# Altium PCB IFAT6.PcbDoc (part 3 of 5)
Units mil, origin at the board's own origin, x right, y up, seen from the top; angles counter-clockwise.
Board outline 8050 x 4300 mil, 6 copper layers (Top Digital, Digital, GND, Analog 1, Analog 2, Bottom Analog), stack 61.068 mil thick; 589 components, 259 nets, 1804 pads, 310 vias.
Unrouted connection lines stored in the file: 819.
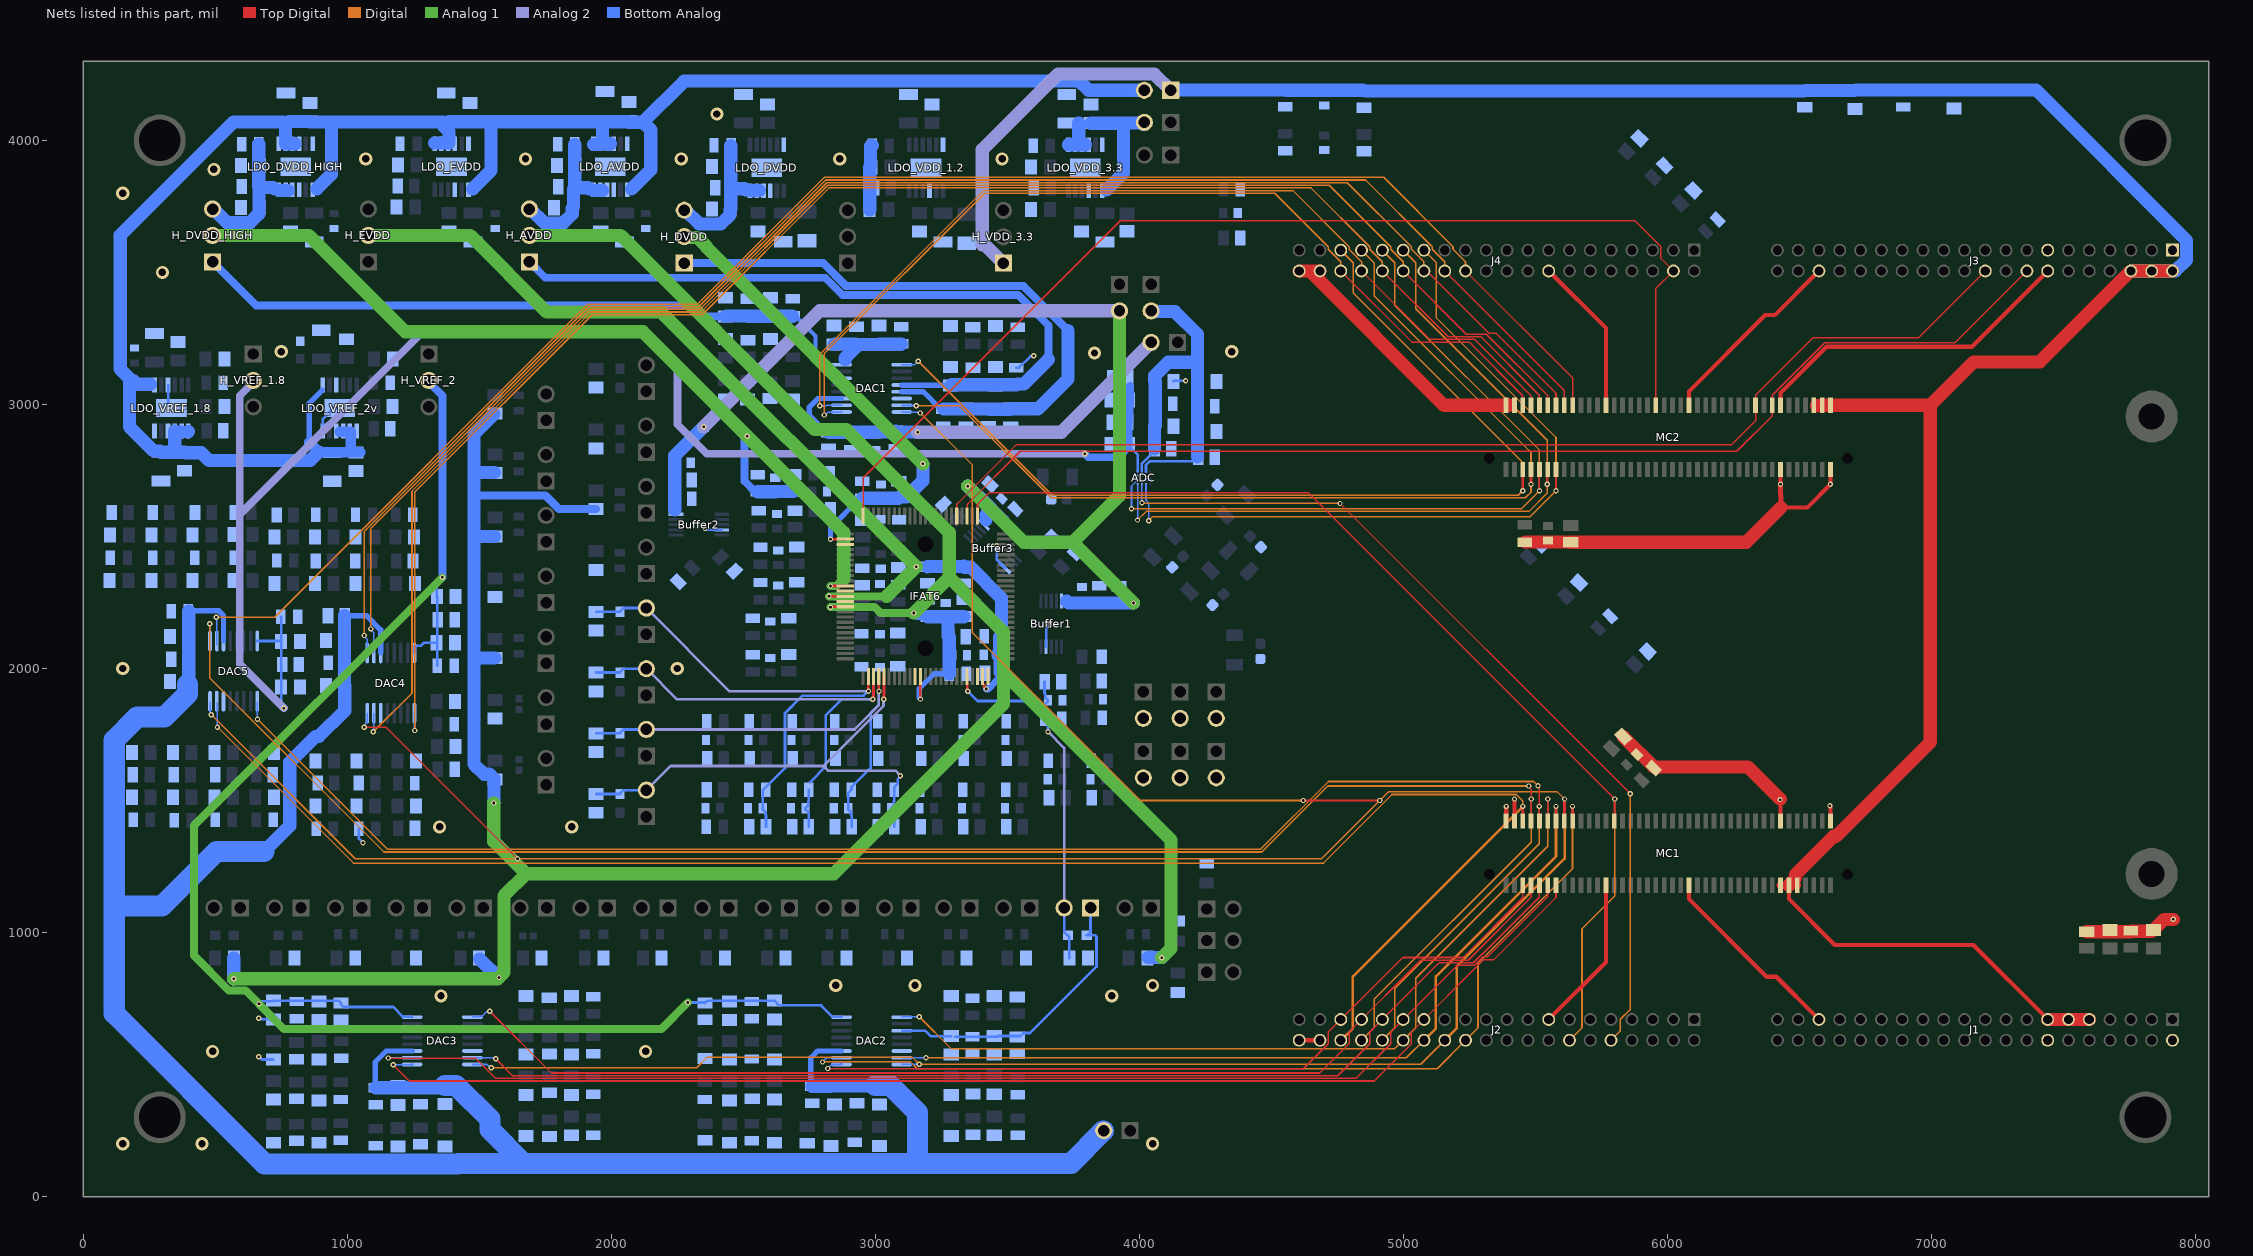
[diagram p7: the nets of this part, all layers, seen from the top]

## Via types
v1: diameter 20, hole 10, Top Digital to Digital, 100 vias
v2: diameter 20, hole 10, Top Digital to Bottom Analog, 81 vias
v3: diameter 20, hole 10, Analog 2 to Bottom Analog, 66 vias
v4: diameter 20, hole 10, Analog 1 to Bottom Analog, 34 vias
v5: diameter 50, hole 28, Top Digital to Bottom Analog, 26 vias
v6: diameter 8, hole 6, Analog 2 to Bottom Analog, 3 vias

## Nets (pads, with @x,y where several pads share a name; then routed paths per layer and width w, separated by ;. In a path a pad name is that pad's centre, name@x,y a point inside that pad or via, vN(x,y) a via of type N, cw(c..) or ccw(c..) an arc to the next point about the centre after c; other vN are vias at no path point) (continued)
+VDC_3.3: C1_+VDC_FPGA3.1 C1_+VDC_FPGA6.1 C2_+VDC_FPGA3.1 C2_+VDC_FPGA6.2 C3_+VDC_FPGA3.1 C3_+VDC_FPGA6.2 C4_+VDC_FPGA3.1 H_PWR_3.3V.1 H_VDD_3.3.1 J1.9 J1.11 J1.13 J3.2 J3.4 J3.6 MC1.9 MC1.11 MC1.13 MC2.2 MC2.4 MC2.6 | length 10701.5
  Top Digital w16: MC1.11@6459.63,1179.19 6459.63,1126.69 6633.48,952.84 7157.87,952.84 7434.66,676.05 J1.13@7440.28,676.05 ; MC2.6@6554.12,2999 6565,2995
  Top Digital w30: MC1.13@6428.13,1179.19 MC1.11@6459.63,1179.19 ; MC1.9@6484.63,1179.19 MC1.9@6491.13,1179.19
  Top Digital w50: MC1.11@6459.63,1179.19 6484.63,1204.19 6484.63,1219.71 6629.6,1364.68 6638.12,1364.68 6995,1721.56 6995,2996.99 ; 6565,2995 MC2.4@6585.61,2996.99 6995,2996.99 ; J1.13@7439.83,670.88 J1.9@7597.31,670.88 ; J3.2@7912.27,3505.53 J3.6@7754.79,3505.53 7410.51,3161.25 7159.26,3161.25 6995,2996.99
  Analog 2 w50: H_VDD_3.3.1@3485,3535 3415,3605 3405,3605 3405,3965 3691.28,4251.28 4057.04,4251.28 H_PWR_3.3V.1@4118.52,4189.8
  Bottom Analog w50: H_PWR_3.3V.1@4118.52,4189.8 4119.45,4190.73 C1_+VDC_FPGA6.1@4550.14,4190.73 ; C1_+VDC_FPGA6.1@4554.86,4189.8 C3_+VDC_FPGA6.2@4846.56,4189.8 ; C3_+VDC_FPGA6.2@4854.43,4187.24 C1_+VDC_FPGA3.1@6516.06,4187.24 ; C1_+VDC_FPGA3.1@6523.94,4189.21 C2_+VDC_FPGA3.1@6706.46,4189.21 ; C2_+VDC_FPGA3.1@6713.54,4190.7 C3_+VDC_FPGA3.1@6889.85,4190.7 ; C3_+VDC_FPGA3.1@6894.58,4190.92 C4_+VDC_FPGA3.1@7081.46,4190.92 ; C4_+VDC_FPGA3.1@7088.54,4190.87 7395.46,4190.87 7965.66,3620.67 7965.66,3547.87 7923.32,3505.53 J3.6@7754.79,3505.53
+VDC_3.3_LDO: C_1_AVDD.1 C_1_DVDD_HIGH.1 C_1_EVDD.1 C_1_VREF_1.8.1 C_1_VREF_2v.1 C_2_AVDD.1 C_2_DVDD_HIGH.1 C_2_EVDD.1 C_2_VREF_1.8.1 C_2_VREF_2v.1 H_PWR_3.3V.2 LDO_AVDD.1 LDO_AVDD.2 LDO_AVDD.3 LDO_AVDD.4 LDO_AVDD.7 LDO_DVDD_HIGH.1 LDO_DVDD_HIGH.2 LDO_DVDD_HIGH.3 LDO_DVDD_HIGH.4 LDO_DVDD_HIGH.7 LDO_EVDD.1 LDO_EVDD.2 LDO_EVDD.3 LDO_EVDD.4 LDO_EVDD.7 LDO_VREF_1.8.1 LDO_VREF_1.8.2 LDO_VREF_1.8.3 LDO_VREF_1.8.4 LDO_VREF_1.8.7 LDO_VREF_2v.1 LDO_VREF_2v.2 LDO_VREF_2v.3 LDO_VREF_2v.4 LDO_VREF_2v.7 | length 7540
  Bottom Analog w20: 856.58,2856.5 856.58,3005.16 LDO_VREF_2v.7@906.46,3055.04
  Bottom Analog w40: 856.58,2856.5 892.69,2820.39 894.18,2818.9 C_2_VREF_2v.1@959.25,2818.9 ; C_2_VREF_2v.1@960.04,2819.73 C_1_VREF_2v.1@1013.26,2819.73 ; 971.58,2896.5 LDO_VREF_2v.3@984.38,2896.5 ; 995.52,2896.11 1013.26,2896.11 C_1_VREF_2v.1@1013.26,2819.73 ; C_1_VREF_2v.1@1049.08,2819.73 C_1_VREF_2v.1@1013.26,2819.73
  Bottom Analog w50: 254.25,3076.14 204.25,3076.14 190.4,3090 184.46,3090 ; 347.17,2827.64 LDO_VREF_1.8.3@347.17,2898.92 ; LDO_VREF_1.8.3@347.17,2895.87 LDO_VREF_1.8.2@372.76,2895.87 ; C_1_VREF_1.8.1@384.37,2819.33 C_2_VREF_1.8.1@294.37,2819.33 290.43,2823.27 268.12,2823.27 174.96,2916.43 174.96,3080.5 184.46,3090 ; C_1_VREF_1.8.1@387.91,2817.36 447.11,2817.36 476.41,2788.06 860.35,2788.06 892.69,2820.39 ; LDO_VREF_1.8.1@396.26,2895.81 LDO_VREF_1.8.1@398.35,2897.9 ; C_2_DVDD_HIGH.1@757.4,4070 570,4070 140.43,3640.43 140.43,3134.03 184.46,3090 ; C_2_DVDD_HIGH.1@766.61,4067.54 LDO_DVDD_HIGH.2@766.61,3987.09 802.5,3987.09 ; C_2_DVDD_HIGH.1@779.06,4071.26 C_1_DVDD_HIGH.1@854.69,4071.26 ; C_1_DVDD_HIGH.1@858.23,4070 940,4070 ; 885.12,3815.96 940,3870.85 940,4070 ; LDO_EVDD.1@1331.02,3989.59 LDO_EVDD.3@1382.2,3989.59 ; C_2_EVDD.1@1364.17,4070 940,4070 ; C_2_EVDD.1@1367.29,4051.37 1384.88,4033.78 LDO_EVDD.3@1384.88,3990.58 ; C_2_EVDD.1@1385.83,4070.28 C_1_EVDD.1@1461.46,4070.28 ; C_1_EVDD.1@1465,4070.49 1545,4070.49 ; 1475.12,3816.41 1545,3886.29 1545,4070.49 ; LDO_AVDD.1@1932.53,3983.99 1963.46,3983.99 1966.51,3987.04 C_2_AVDD.1@1966.51,4067.4 ; LDO_AVDD.3@1983.71,3983.99 1993.6,3983.99 1996.51,3986.9 ; 2076.63,3816.41 2149.34,3889.13 2149.34,4039.68 2120.05,4068.97 ; H_PWR_3.3V.2@4018.52,4189.8 3807.43,4189.8 3772.84,4224.39 2275.48,4224.39 2120.05,4068.97 ; 1545,4070.49 1545.45,4070.94 2064.54,4070.94 2066.51,4068.97 2120.05,4068.97
+VDC_ADC: ADC.A2 ADC.A3 C1_AVDD_ADC.1 C1_DVDD_ADC.1 C2_AVDD_ADC.1 C2_DVDD_ADC.1 C3_AVDD_ADC.1 C3_DVDD_ADC.1 C4_AVDD_ADC.1 C4_DVDD_ADC.1 H_PWR_ADC.2 | length 1428.2
  Bottom Analog w10: ADC.A3@4009.25,2745.75 4009.25,2775.81 4047.56,2814.11 C1_AVDD_ADC.1@4049.56,2814.11 ; ADC.A2@4025,2745.75 4025,2770 4040,2785 C1_DVDD_ADC.1@4208.22,2785
  Bottom Analog w50: H_PWR_ADC.2@4044.52,3354.46 4047.39,3351.6 4133.9,3351.6 4220,3265.5 4220,3160 ; C1_AVDD_ADC.1@4057.09,2832.5 4057.62,2833.03 C2_AVDD_ADC.1@4057.62,2913.96 ; C2_AVDD_ADC.1@4058.15,2917.5 4059.72,2919.07 C3_AVDD_ADC.1@4059.72,3000.14 ; C3_AVDD_ADC.1@4059.72,3004.86 4059.72,3085.93 C4_AVDD_ADC.1@4058.15,3087.5 4058.15,3108.83 4109.32,3160 4220,3160 ; C1_DVDD_ADC.1@4220,2802.13 4220,3160
+VDC_BUFF: Buffer1.10 Buffer2.10 Buffer3.10 C1_C_+VDC1.1 C1_C_+VDC2.1 C1_C_+VDC3.1 C2_C_+VDC1.2 C2_C_+VDC2.2 C2_C_+VDC3.2 C3_C_+VDC1.2 C3_C_+VDC2.2 C3_C_+VDC3.2 H_PWR_BUFF.2 | length 4358.6
  Analog 1 w50: v4(3350,2690) 3562.14,2477.86 3747.86,2477.86 ; H_PWR_BUFF.2@3924.52,3354.46 3924.52,2654.52 3747.86,2477.86 ; v4(3977.55,2248.17) 3747.86,2477.86
  Analog 2 w50: v3(2350,2915) 2789.46,3354.46 3918.15,3354.46 H_PWR_BUFF.2@3919.64,3352.98
  Bottom Analog w50: 2240,2600 2240,2641.58 C1_C_+VDC2.1@2240.61,2642.18 2240.61,2805.61 v3(2350,2915) ; v4(3350,2690) C3_C_+VDC3.2@3385.32,2654.68 ; C3_C_+VDC3.2@3391.17,2653.14 C2_C_+VDC1.2@3439.77,2604.54 ; 3418.51,2563.28 3418.51,2581.4 3439.77,2602.65 C1_C_+VDC3.1@3484.3,2558.06 C1_C_+VDC3.1@3484.3,2558.06 ; 3725,2255 3732.03,2247.97 3782.58,2247.97 3847.5,2247.97 C3_C_+VDC1.2@3922.94,2247.97 3923.13,2248.17 v4(3977.55,2248.17)
+VDC_DAC: C1_VDC_DAC2.1 C1_VDC_DAC3.1 C1_VDC_DAC4.1 C1_VDC_DAC5.1 C2_VDC_DAC2.1 C2_VDC_DAC3.1 C2_VDC_DAC4.1 C2_VDC_DAC5.1 C3_VDC_DAC2.1 C3_VDC_DAC3.1 C3_VDC_DAC4.1 C3_VDC_DAC5.1 C4_VDC_DAC2.1 C4_VDC_DAC3.1 C4_VDC_DAC4.1 C4_VDC_DAC5.1 DAC2.3 DAC3.3 DAC4.3 DAC5.3 H_PWR_DAC.2 | length 9687.8
  Bottom Analog w20: C3_VDC_DAC4.1@397.28,2216.57 397.28,2217.09 398.43,2218.24 399.84,2218.24 514.27,2218.24 531.61,2200.89 DAC5.3@531.61,2104.17 ; C1_VDC_DAC3.1@1000,2200 1072.89,2200 1126.61,2146.27 DAC4.3@1126.61,2059.17 ; C3_VDC_DAC2.1@1106.14,423.86 1106.14,509.8 1147.95,551.61 DAC3.3@1245.83,551.61 ; C3_VDC_DAC5.1@2746.52,417.09 2755.38,425.95 2755.38,525.38 2781.61,551.61 DAC2.3@2871.73,551.61
  Bottom Analog w50: C4_VDC_DAC4.1@399.84,1950 C3_VDC_DAC4.1@399.84,2218.24 ; 684.69,1306.42 782.36,1404.08 782.36,1644.98 880.02,1742.65 892.65,1742.65 990.31,1840.31 C4_VDC_DAC3.1@990.31,1935 ; C1_VDC_DAC3.1@990,2200 990.16,2199.84 C2_VDC_DAC3.1@990.16,2110.01 ; C4_VDC_DAC3.1@990.16,1935.16 C2_VDC_DAC3.1@990.16,2106.47 ; C3_VDC_DAC2.1@1107.5,412.13 C1_VDC_DAC2.1@1277.5,412.13 ; C1_VDC_DAC2.1@1281.44,412.13 1359.92,412.13 C4_VDC_DAC2.1@1366.46,418.66 ; C3_VDC_DAC5.1@2760.92,417.66 C2_VDC_DAC5.1@2828.96,417.66 ; C2_VDC_DAC5.1@2832.5,419.06 C1_VDC_DAC5.1@2915,419.06 ; C1_VDC_DAC5.1@2917.36,418.66 2997.64,418.66 C4_VDC_DAC5.1@3000,421.02
  Bottom Analog w80: C4_VDC_DAC4.1@395.61,1940 395.61,1903.23 308.61,1816.23 204.93,1816.23 117.93,1729.23 117.93,1100 ; 684.69,1306.42 504.52,1306.42 298.1,1100 117.93,1100 ; C4_VDC_DAC2.1@1370,421.02 1412.54,421.02 1540.19,293.37 1540.19,253.51 1667.84,125.86 ; C4_VDC_DAC5.1@3000,421.02 3057.25,421.02 3160,318.27 3160,125.86 ; H_PWR_DAC.2@3862.92,247.92 3740.86,125.86 3160,125.86 ; 117.93,1100 117.93,692.81 687.81,122.93 1416.77,122.93 1419.7,125.86 1667.84,125.86 ; 1667.84,125.86 3160,125.86
+VDC_DAC1: C1_VDC_DAC1.1 C2_VDC_DAC1.1 C3_VDC_DAC1.1 C4_VDC_DAC1.1 DAC1.3 H_PWR_DAC1.2 | length 1625.7
  Analog 2 w50: v3(3160,2895) 3704.52,2895 H_PWR_DAC1.2@4044.52,3235
  Bottom Analog w20: C1_VDC_DAC1.1@2822.5,2894.29 2813.64,2894.29 2750,2957.93 2750,2990 2782.4,3022.4 DAC1.3@2871.85,3022.4
  Bottom Analog w50: C1_VDC_DAC1.1@2822.5,2894.29 2823.07,2894.86 C2_VDC_DAC1.1@2906.46,2894.86 ; C2_VDC_DAC1.1@2910,2895 C3_VDC_DAC1.1@2992.5,2895 ; C3_VDC_DAC1.1@2994.86,2895.87 3075.14,2895.87 C4_VDC_DAC1.1@3077.5,2898.23 3079.86,2895.87 3159.13,2895.87 v3(3160,2895)
+VDC_LDO: C_1_VDD_3.3.1 C_2_VDD_3.3.1 H_PWR_5V.2 LDO_VDD_3.3.1 LDO_VDD_3.3.2 LDO_VDD_3.3.3 LDO_VDD_3.3.4 LDO_VDD_3.3.7 | length 622.6
  Bottom Analog w50: LDO_VDD_3.3.1@3731.64,3983.58 3795,3983.58 ; 3770,3986.63 3770,4065.34 ; C_1_VDD_3.3.1@3816.46,4065.01 3940,4065.01 ; 3875.73,3812.45 3940,3876.72 3940,4065.01 ; H_PWR_5V.2@4016,4061.28 4011.95,4065.33 3940.31,4065.33 3940,4065.01
_setLFSR: IFAT6.50 J4.4 MC2.44 | length 4257.5
  Top Digital w6: IFAT6.50@2953.78,2577.5 2953.78,2721.92 3927.52,3695.66 5876.77,3695.66 5975.15,3597.27 5975.15,3552.88 J4.4@6022.5,3505.53 5955.69,3438.72 MC2.44@5955.69,2996.99
ADC_C\S\: ADC.C4 J4.31 MC2.71 | length 2928.7
  Top Digital w6: MC2.71@5514.75,2753.99 5514.87,2753.87 5514.87,2675.13 v1@5515,2675
  Digital w6: v2(3970,2605) 5446.66,2605 v1(5515,2673.34) 5515,2827.48 4967.49,3374.99 4967.49,3536.92 J4.31@4920.14,3584.27
  Bottom Analog w6: v2(3970,2605) 3970,2690.75 ADC.C4@3993.5,2714.25
ADC_SCLK: ADC.D4 J4.29 MC2.69 | length 2935.5
  Top Digital w6: v1@5545.62,2695.62 5545.62,2753.37 MC2.69@5546.24,2753.99
  Digital w6: v2(3993,2562) 4026,2595 5475,2595 5545,2665 v1(5545,2697.51) 5545,2863.94 5046.23,3362.71 5046.23,3536.92 J4.29@4998.88,3584.27
  Bottom Analog w6: v2(3993,2562) 3993,2635.04 3993.5,2635.54 ADC.D4@3993.5,2698.5
ADC_SDI: ADC.D2 J4.27 MC2.67 | length 2931.1
  Top Digital w6: v1@5577.64,2673.1 5577.64,2753.89 MC2.67@5577.74,2753.99
  Digital w6: v2(4035,2560) 4050,2575 5479.2,2575 v1(5577.54,2673.34) 5577.54,2874.95 5124.97,3327.52 5124.97,3536.92 J4.27@5077.62,3584.27
  Bottom Analog w6: ADC.D2@4025,2698.5 4025,2637.04 4035,2627.04 v2(4035,2560)
ADC_SDO: ADC.D3 J2.10 | length 3339.8
  Top Digital w6: v1(4760,2625) 4760,2624.71 5858.47,1526.24 v1(5858.47,1525.95)
  Digital w6: v2(4010,2628) 4011.5,2626.5 4758.5,2626.5 v1(4760,2625) ; J2.10@5786.28,592.14 5821.04,626.9 5821.04,671.29 5858.47,708.72 v1(5858.47,1525.95)
  Bottom Analog w6: ADC.D3@4009.25,2698.5 4009.62,2698.12 4009.62,2628.38 v2(4010,2628)
ARRAY_SHIFT_REG_CLK: IFAT6.32 J3.20 MC2.20 | length 4361.8
  Top Digital w6: IFAT6.32@3308.11,2577.5 3308.11,2621.89 3311.22,2625 3528.71,2842.49 3534.31,2848.09 6243.09,2848.09 6331.43,2936.43 ; 6329.53,2934.88 6333.76,2939.12 6333.76,2959.36 6333.76,2990.06 6333.76,2996.87 MC2.20@6333.64,2996.99 ; MC2.20@6333.53,2996.87 6333.53,3034.49 6552.29,3253.25 6951.33,3253.25 7196.61,3498.53 J3.20@7203.61,3498.53
ASYNC_RST: IFAT6.30 J3.16 MC2.16 | length 4466.5
  Top Digital w6: IFAT6.30@3347.48,2577.5 3347.48,2621.26 3351.22,2625 3548.71,2822.49 6262.54,2822.49 6396.64,2956.59 MC2.16@6396.64,2996.99 6396.52,2997.1 6396.52,3034.49 6595.28,3233.25 7088.81,3233.25 7354.09,3498.53 J3.16@7361.09,3498.53
AVDD: C1_C_AVDD1.1 C1_C_AVDD.1 C2_C_AVDD1.2 C2_C_AVDD.2 C3_C_AVDD1.2 C3_C_AVDD.2 C_GCOMP.1 C_VAMP_HIGH.1 C_VBIAS.1 C_VBP.1 C_VIN_IBIAS.1 C_Vpup_arb.1 C_VpupReq.1 C_VSPIKE.1 C_VWIDTH_HI.1 H_AVDD.2 IFAT6.65 IFAT6.87 | length 11687.7
  Top Digital w10: v2(2830,2232.47) 2830.76,2233.23 2885.11,2233.23 IFAT6.65@2885.87,2234 ; IFAT6.87@3170.31,1969.23 3170.57,1968.97 3170.57,1884.46 v2(3170.83,1884.2)
  Analog 1 w30: v2(2830,2232.47) 2997.53,2232.47 3020,2210 v4(3145,2210)
  Analog 1 w50: v4(570,825) 1570,825 1593.52,848.52 1593.52,1138.52 1677.66,1222.66 ; v4(1555,1490.73) 1555,1345.31 1677.66,1222.66 ; H_AVDD.2@1690,3640 2035,3640 2770,2905 2890,2905 3280,2515 3280,2345 ; v4(3145,2210) 3280,2345 ; v4(4085,905) 4120,940 4120,1350 3485,1985 ; 1677.66,1222.66 2842.66,1222.66 3485,1865 3485,1985 ; 3280,2345 3485,2140 3485,1985
  Bottom Analog w20: v2(3170.83,1884.2) 3166,1889.03 3166,1923.31 3222.99,1980.3 C1_C_AVDD.1@3279.8,1980.3
  Bottom Analog w30: 1480,2655 1750.81,2655 1802.07,2603.74 C_VBIAS.1@1942.79,2603.74 ; v4(3145,2210) 3157.17,2197.83 3186.39,2197.83 3187.14,2197.09 C1_C_AVDD1.1@3187.14,2195.75
  Bottom Analog w50: v4(570,825) 570.43,825.43 C_VSPIKE.1@570.43,903.37 ; C_VAMP_HIGH.1@1501.59,899.82 1571.41,830 v4(1575,830) ; 1509.29,2040.22 C_VIN_IBIAS.1@1559.27,2040.22 ; v4(1555,1490.73) 1555.73,1491.46 C_VWIDTH_HI.1@1555.73,1577.86 ; C_VWIDTH_HI.1@1555.73,1582.58 1538.86,1599.45 1518.72,1599.45 1480,1638.17 1480,2500.22 ; C_Vpup_arb.1@1555.73,2963.29 1480,2887.56 1480,2742.58 ; C_VpupReq.1@1556.91,2742.58 1480,2742.58 ; C_VBP.1@1558.09,2500.22 1480,2500.22 ; C1_C_AVDD1.1@3198.75,2194.92 3199.83,2196 3335.17,2196 C3_C_AVDD1.2@3336.25,2197.09 ; C2_C_AVDD1.2@3266.25,2192.36 3275.57,2183.04 3275.57,2123.94 C3_C_AVDD.2@3279.51,2120 ; C1_C_AVDD.1@3279.8,1980.3 C3_C_AVDD.2@3279.8,2119.7 ; C_GCOMP.1@4032.8,905 v4(4085,905) ; 1480,2500.22 1480,2655 1480,2742.58
AVDD_DAC: C1_AVDD_DAC.1 C2_AVDD_DAC.1 C3_AVDD_DAC.1 C4_AVDD_DAC.1 DAC1.12 H_AVDD.1 | length 2785
  Bottom Analog w20: DAC1.12@3100.2,3073.58 3101.1,3072.68 3283.58,3072.68 C4_AVDD_DAC.1@3284.48,3071.77
  Bottom Analog w30: H_AVDD.1@1690,3540 1750.24,3479.76 2810.33,3479.76 2875.09,3415 3540,3415 3655,3300 3655,3170
  Bottom Analog w50: C4_AVDD_DAC.1@3288.81,3074.92 3369.48,3074.92 3454.48,3074.92 C3_AVDD_DAC.1@3534.48,3074.92 3536.84,3077.28 3562.28,3077.28 3655,3170
AVDD_LDO: C1_U_Capx41.1 C2_U_Capx41.1 C3_U_Capx41.1 C4_U_Capx41.1 H_AVDD.3 LDO_AVDD.10 LDO_AVDD.11 LDO_AVDD.12 | length 548.1
  Bottom Analog w50: H_AVDD.3@1690,3740 1694.05,3740 1746.67,3687.38 1818.52,3687.38 1852.38,3721.24 C4_U_Capx41.1@1852.38,3741.38 ; C4_U_Capx41.1@1857.1,3748.47 1857.1,3816.01 1861.59,3820.5 C3_U_Capx41.1@1861.59,3984.93 ; C1_U_Capx41.1@1862.22,3824.43 1866.16,3820.5 1912.31,3820.5 1916.39,3816.41 ; LDO_AVDD.12@1932.53,3809.82 LDO_AVDD.11@1966.51,3809.82
COL_SHIFT_REG_CLK: IFAT6.28 J2.14 MC1.54 | length 4023.6
  Top Digital w6: IFAT6.28@3386.85,2577.5 3386.85,2621.89 3389.96,2625 3429.96,2665 4641.02,2665 v1(5800.34,1505.68) ; MC1.54@5798.21,1422.18 5799.28,1423.24 5799.28,1503.94 v1@5800.34,1505
  Digital w6: J2.14@5628.8,592.14 5676.15,639.49 5676.15,1014.39 5800.34,1138.57 v1@5800.34,1505
DAC1_C\L\R\: DAC1.9 J4.35 MC2.75 | length 3845
  Top Digital w10: v1@5451.57,2673.05 5451.57,2746.69 MC2.75@5451.83,2746.95
  Digital w6: v2(3162.22,3164) 3669.87,2656.34 5434.38,2656.34 v1(5451.38,2673.34) ; J4.35@4762.66,3584.27 4810.01,3536.92 4810.01,3421.92 5451.38,2780.55 v1@5451.38,2672.86
  Bottom Analog w6: DAC1.9@3100.2,3150.35 3100.37,3150.18 3148.39,3150.18 v2(3162.22,3164)
DAC1_L\D\A\C\: DAC1.1 J4.36 MC2.76 | length 3578.5
  Top Digital w6: J4.36@4762.66,3505.53 5032.02,3236.17 5248.83,3236.17 5451.76,3033.24 MC2.76@5451.76,2996.99
  Digital w6: v2(2807,2960) 2807,3192.86 3414.14,3800 4512.58,3800 4715.31,3597.27 4715.31,3587.23 4762.66,3539.88 J4.36@4762.66,3505.53
  Bottom Analog w6: v2(2807,2960) 2810.79,2960 2821.79,2971 2871.63,2971 DAC1.1@2871.85,2971.22
DAC1_S\Y\N\C\: DAC1.2 J4.34 MC2.74 | length 3611.7
  Top Digital w6: J4.34@4841.4,3505.53 5100.76,3246.17 5270.33,3246.17 5483.25,3033.25 MC2.74@5483.25,2996.99
  Digital w6: v2(2790,2995) 2790,3190 3410,3810 4581.32,3810 4794.05,3597.27 4794.05,3587.23 4841.4,3539.88 J4.34@4841.4,3505.53
  Bottom Analog w6: v2(2790,2995) 2815.22,2995 2817.03,2996.81 DAC1.2@2871.85,2996.81
DAC1_SDI: DAC1.15 J4.33 MC2.73 | length 3761.6
  Top Digital w10: v1(5482.96,2697.51) 5483.11,2697.66 MC2.73@5483.11,2747.12
  Digital w6: v2(3155,2995) 3317.07,2995 3665.73,2646.34 5461.34,2646.34 5482.96,2667.96 v1(5482.96,2697.51) ; J4.33@4841.4,3584.27 4888.75,3536.92 4888.75,3412.03 5482.96,2817.82 v1@5482.96,2704.51
  Bottom Analog w6: DAC1.15@3100.2,2996.81 3101.1,2995.9 3154.1,2995.9 v2(3155,2995)
DAC2_C\L\R\: DAC2.9 J2.30 MC1.70 | length 3185
  Top Digital w6: MC1.70@5546.24,1422.18 v1(5546.24,1505.68)
  Digital w6: v2(3165.91,681.59) 3286.75,560.75 4967.49,560.75 5046.23,639.49 5046.23,826.47 5546.24,1326.49 v1(5546.24,1505.68)
  Bottom Analog w6: DAC2.9@3101.09,680.58 3164.89,680.58 v2@3165.69,681.38
  Bottom Analog w15: v2@3165.69,681.38 v2(3165.91,681.59)
DAC2_L\D\A\C\: DAC2.1 J2.35 MC1.75 | length 3032.8
  Top Digital w6: v2(2820,485) 2820.41,484.59 4620.76,484.59 4715.31,579.14 4715.31,623.53 4997.19,905.41 5225.41,905.41 5451.76,1131.76 MC1.75@5451.76,1179.19
  Bottom Analog w6: v2(2820,485) 2832.32,497.32 2834.03,497.32 2837.15,500.43 2868.8,500.43 DAC2.1@2871.06,502.7
  Bottom Analog w10: DAC2.1@2871.06,502.7 DAC2.1@2871.73,502.03
DAC2_S\Y\N\C\: DAC2.2 J2.24 MC1.64 | length 3665.7
  Top Digital w10: v1(5640.2,1477.68) 5640.46,1477.41 MC1.64@5640.46,1428.03
  Digital w6: v2(2800,510) 3133.46,510 3158.86,484.59 5127.55,484.59 J2.24@5235.1,592.14 ; J2.24@5235.55,594.31 5237.27,594.31 5282.45,639.49 5282.45,883.61 5640.2,1241.35 v1@5640.2,1474.68
  Bottom Analog w6: v2(2800,510) 2816.02,526.02 DAC2.2@2870.14,526.02
DAC2_SDI: DAC2.15 J2.28 MC1.68 | length 3151.6
  Top Digital w6: MC1.68@5577.74,1422.18 v1(5577.74,1477.74)
  Digital w6: v2(3191.91,525.49) 5010.97,525.49 J2.28@5077.62,592.14
  Digital w10: J2.28@5077.62,592.14 5122.97,637.49 5122.97,834.13 5577.74,1288.89 v1(5577.74,1477.74)
  Bottom Analog w6: DAC2.15@3102.09,525.76 3191.65,525.76 v2(3191.91,525.49)
DAC3_C\L\R\: DAC3.9 J2.33 MC1.73 | length 4461.3
  Top Digital w6: v2(1540,701.91) 1773.91,468 4682.91,468 4794.05,579.14 4794.05,623.53 5065.93,895.41 5245.41,895.41 5483.25,1133.25 MC1.73@5483.25,1179.19
  Bottom Analog w6: DAC3.9@1475.19,680.58 1476.71,682.11 1509.19,682.11 1526.32,699.23 1537.32,699.23 v2(1540,701.91)
DAC3_L\D\A\C\: DAC3.1 J2.27 MC1.67 | length 4862.4
  Top Digital w6: v2(1173.79,498.89) 1234.68,438 4889.13,438 5030.27,579.14 5030.27,623.53 5304.44,897.7 5342.7,897.7 5577.74,1132.74 MC1.67@5577.74,1179.19
  Bottom Analog w6: v2(1173.79,498.89) 1174.57,499.66 1243.79,499.66 1244.57,500.43 DAC3.1@1245,500
  Bottom Analog w10: DAC3.1@1245,500 1245.43,500.43 DAC3.1@1245.83,500.43
DAC3_S\Y\N\C\: DAC3.2 J2.29 MC1.69 | length 4868.7
  Top Digital w6: v2(1154.97,524.69) 1485.14,524.69 1561.83,448 4820.39,448 4951.53,579.14 4951.53,623.53 5203.41,875.41 5268.01,875.41 5300.3,907.7 5317.61,907.7 5546.24,1136.34 MC1.69@5546.24,1179.19
  Bottom Analog w6: v2@1155.12,524.54 1155.94,525.36 1246.32,525.36 DAC3.2@1246.41,525.44
DAC3_SDI: DAC3.15 J2.31 MC1.71 | length 4418.3
  Top Digital w6: v2(1562.14,521.62) 1625.76,458 4751.65,458 4872.79,579.14 4872.79,623.53 5134.67,885.41 5263.87,885.41 5296.16,917.7 5298.69,917.7 5514.75,1133.77 MC1.71@5514.75,1179.19
  Bottom Analog w6: DAC3.15@1475.92,526.02 1553.95,526.02 1558.35,521.62 v2(1562.14,521.62)
DAC4_C\L\R\: DAC4.9 J4.32 MC2.72 | length 6094
  Top Digital w6: J4.32@4920.14,3505.53 5169.5,3256.17 5293.83,3256.17 5514.75,3035.25 MC2.72@5514.75,2996.99
  Digital w6: v2(1255.22,1765.22) 1255.22,2667.79 1927.43,3340 2344.14,3340 2824.14,3820 4650.06,3820 4872.79,3597.27 4872.79,3587.23 4920.14,3539.88 J4.32@4920.14,3505.53
  Bottom Analog w6: DAC4.9@1254.89,1830.72 1254.89,1765.54 v2@1255,1765.43
DAC4_L\D\A\C\: DAC4.1 J4.26 MC2.66 | length 5972.2
  Top Digital w6: J4.26@5156.36,3505.53 5609.24,3052.66 MC2.66@5609.24,2996.99